# KiCad board All_Bloks_of_project.kicad_pcb
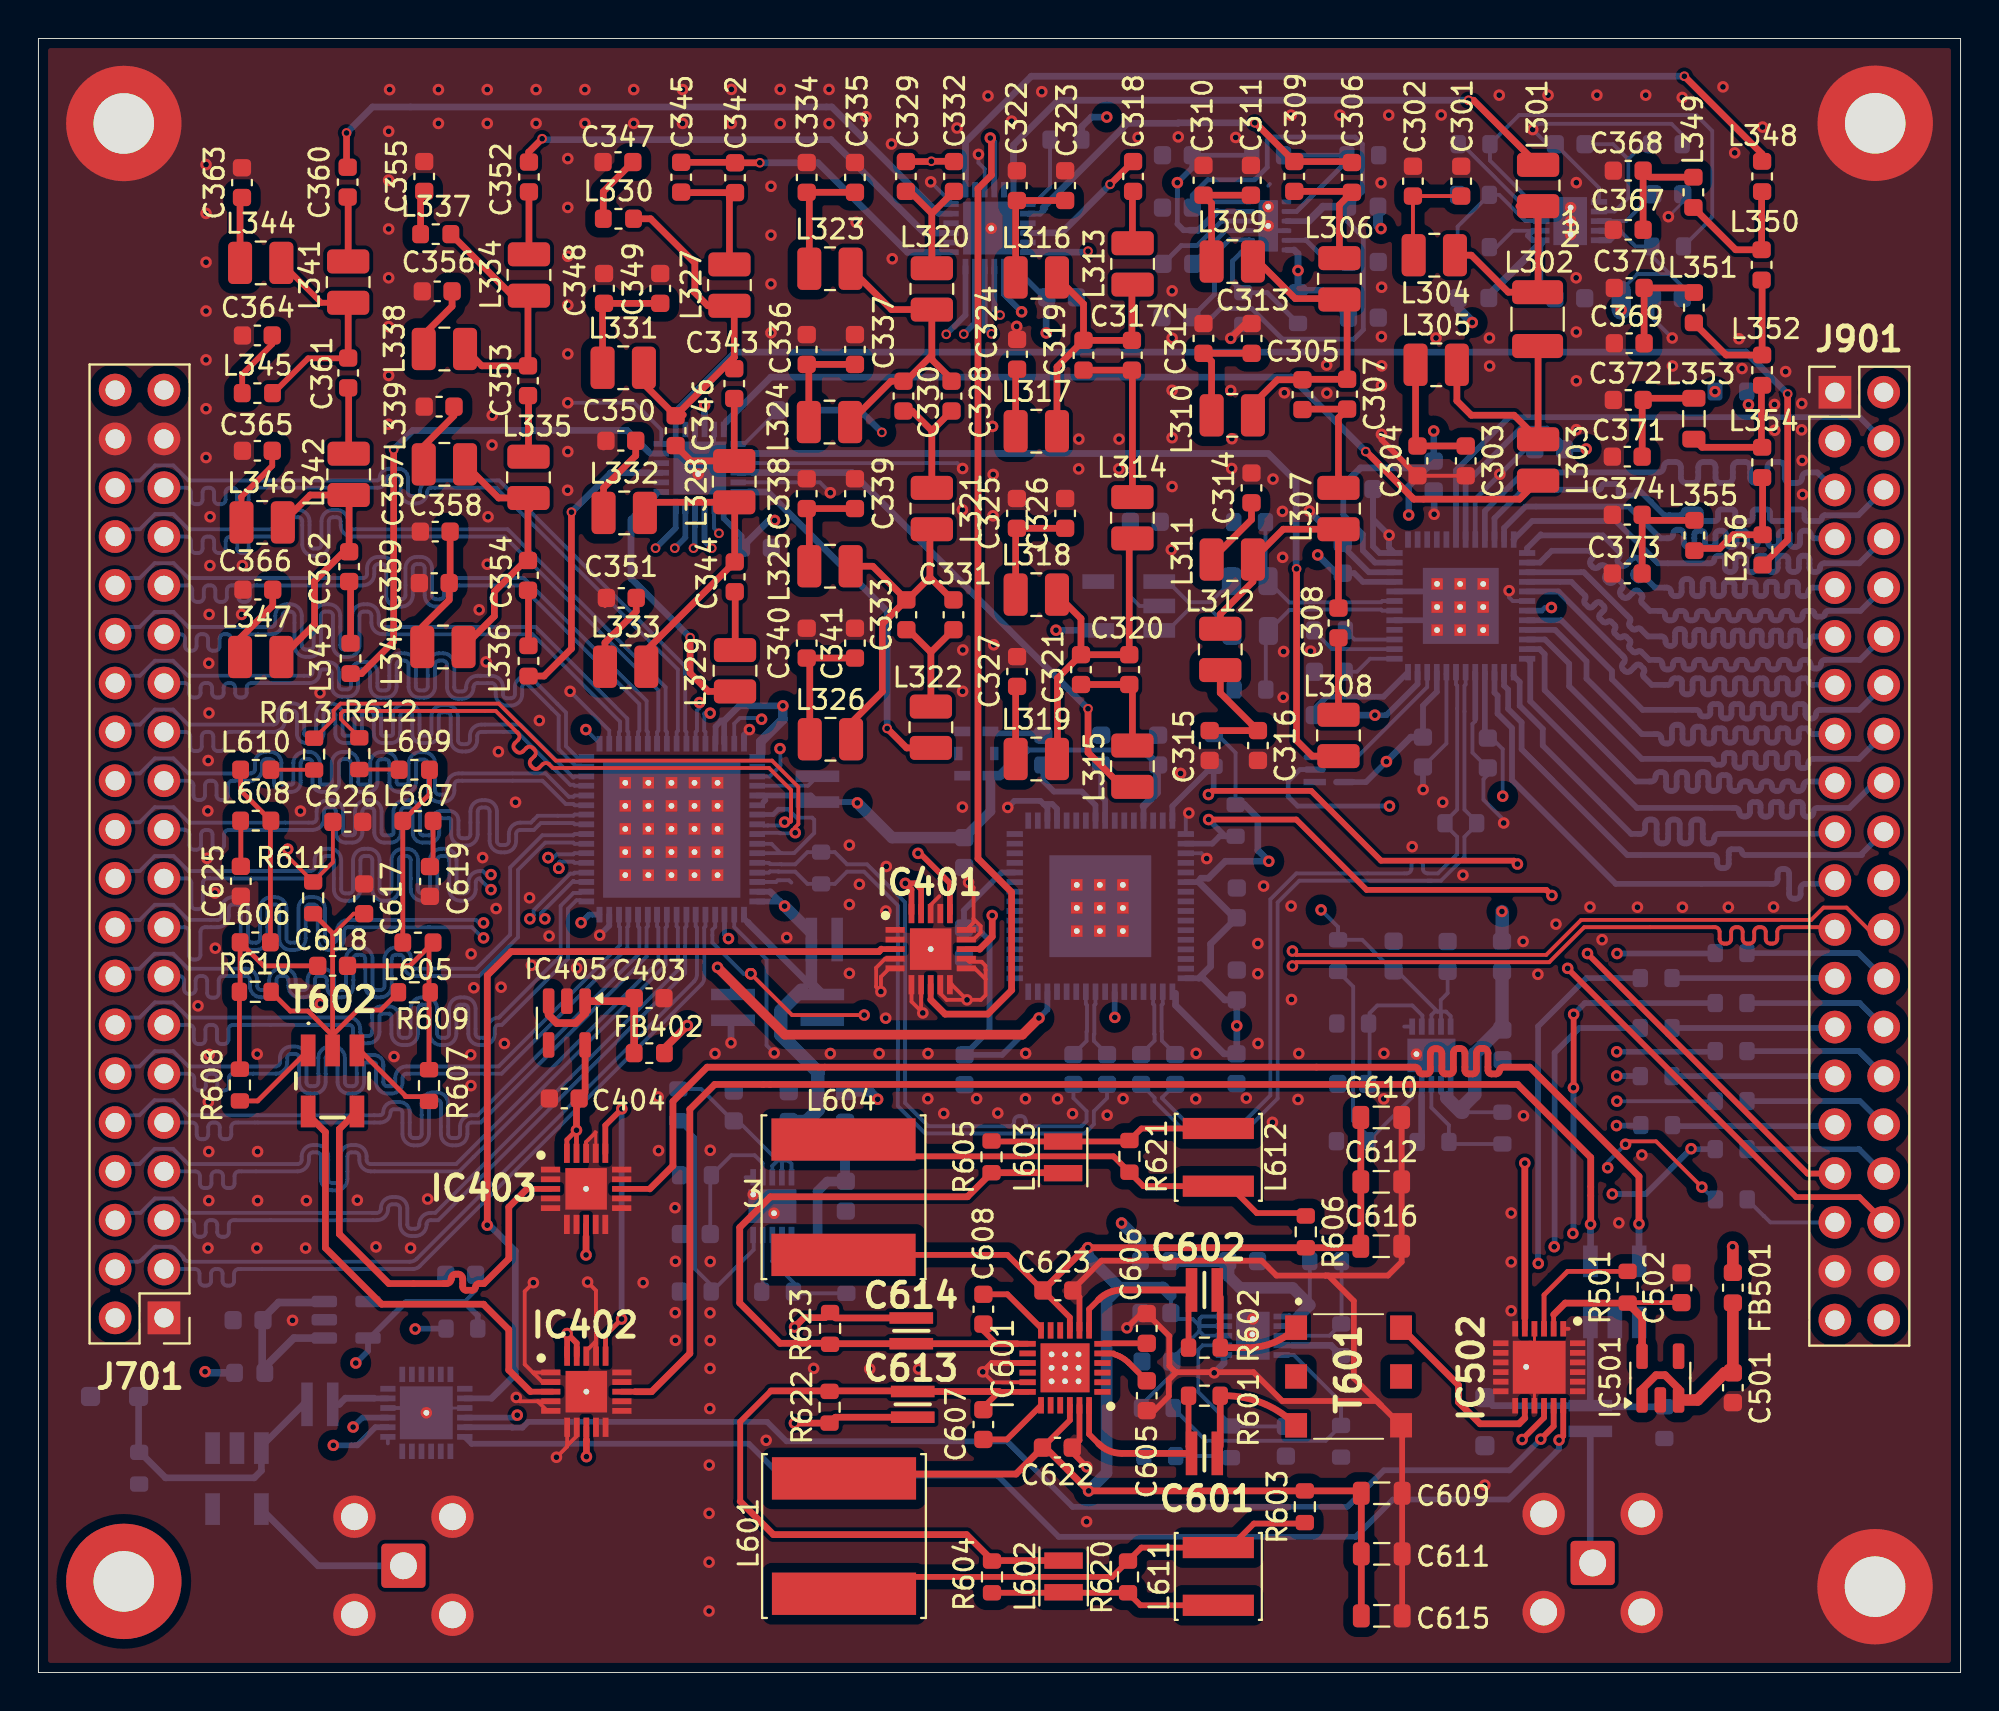
[diagram p0: board, top side]
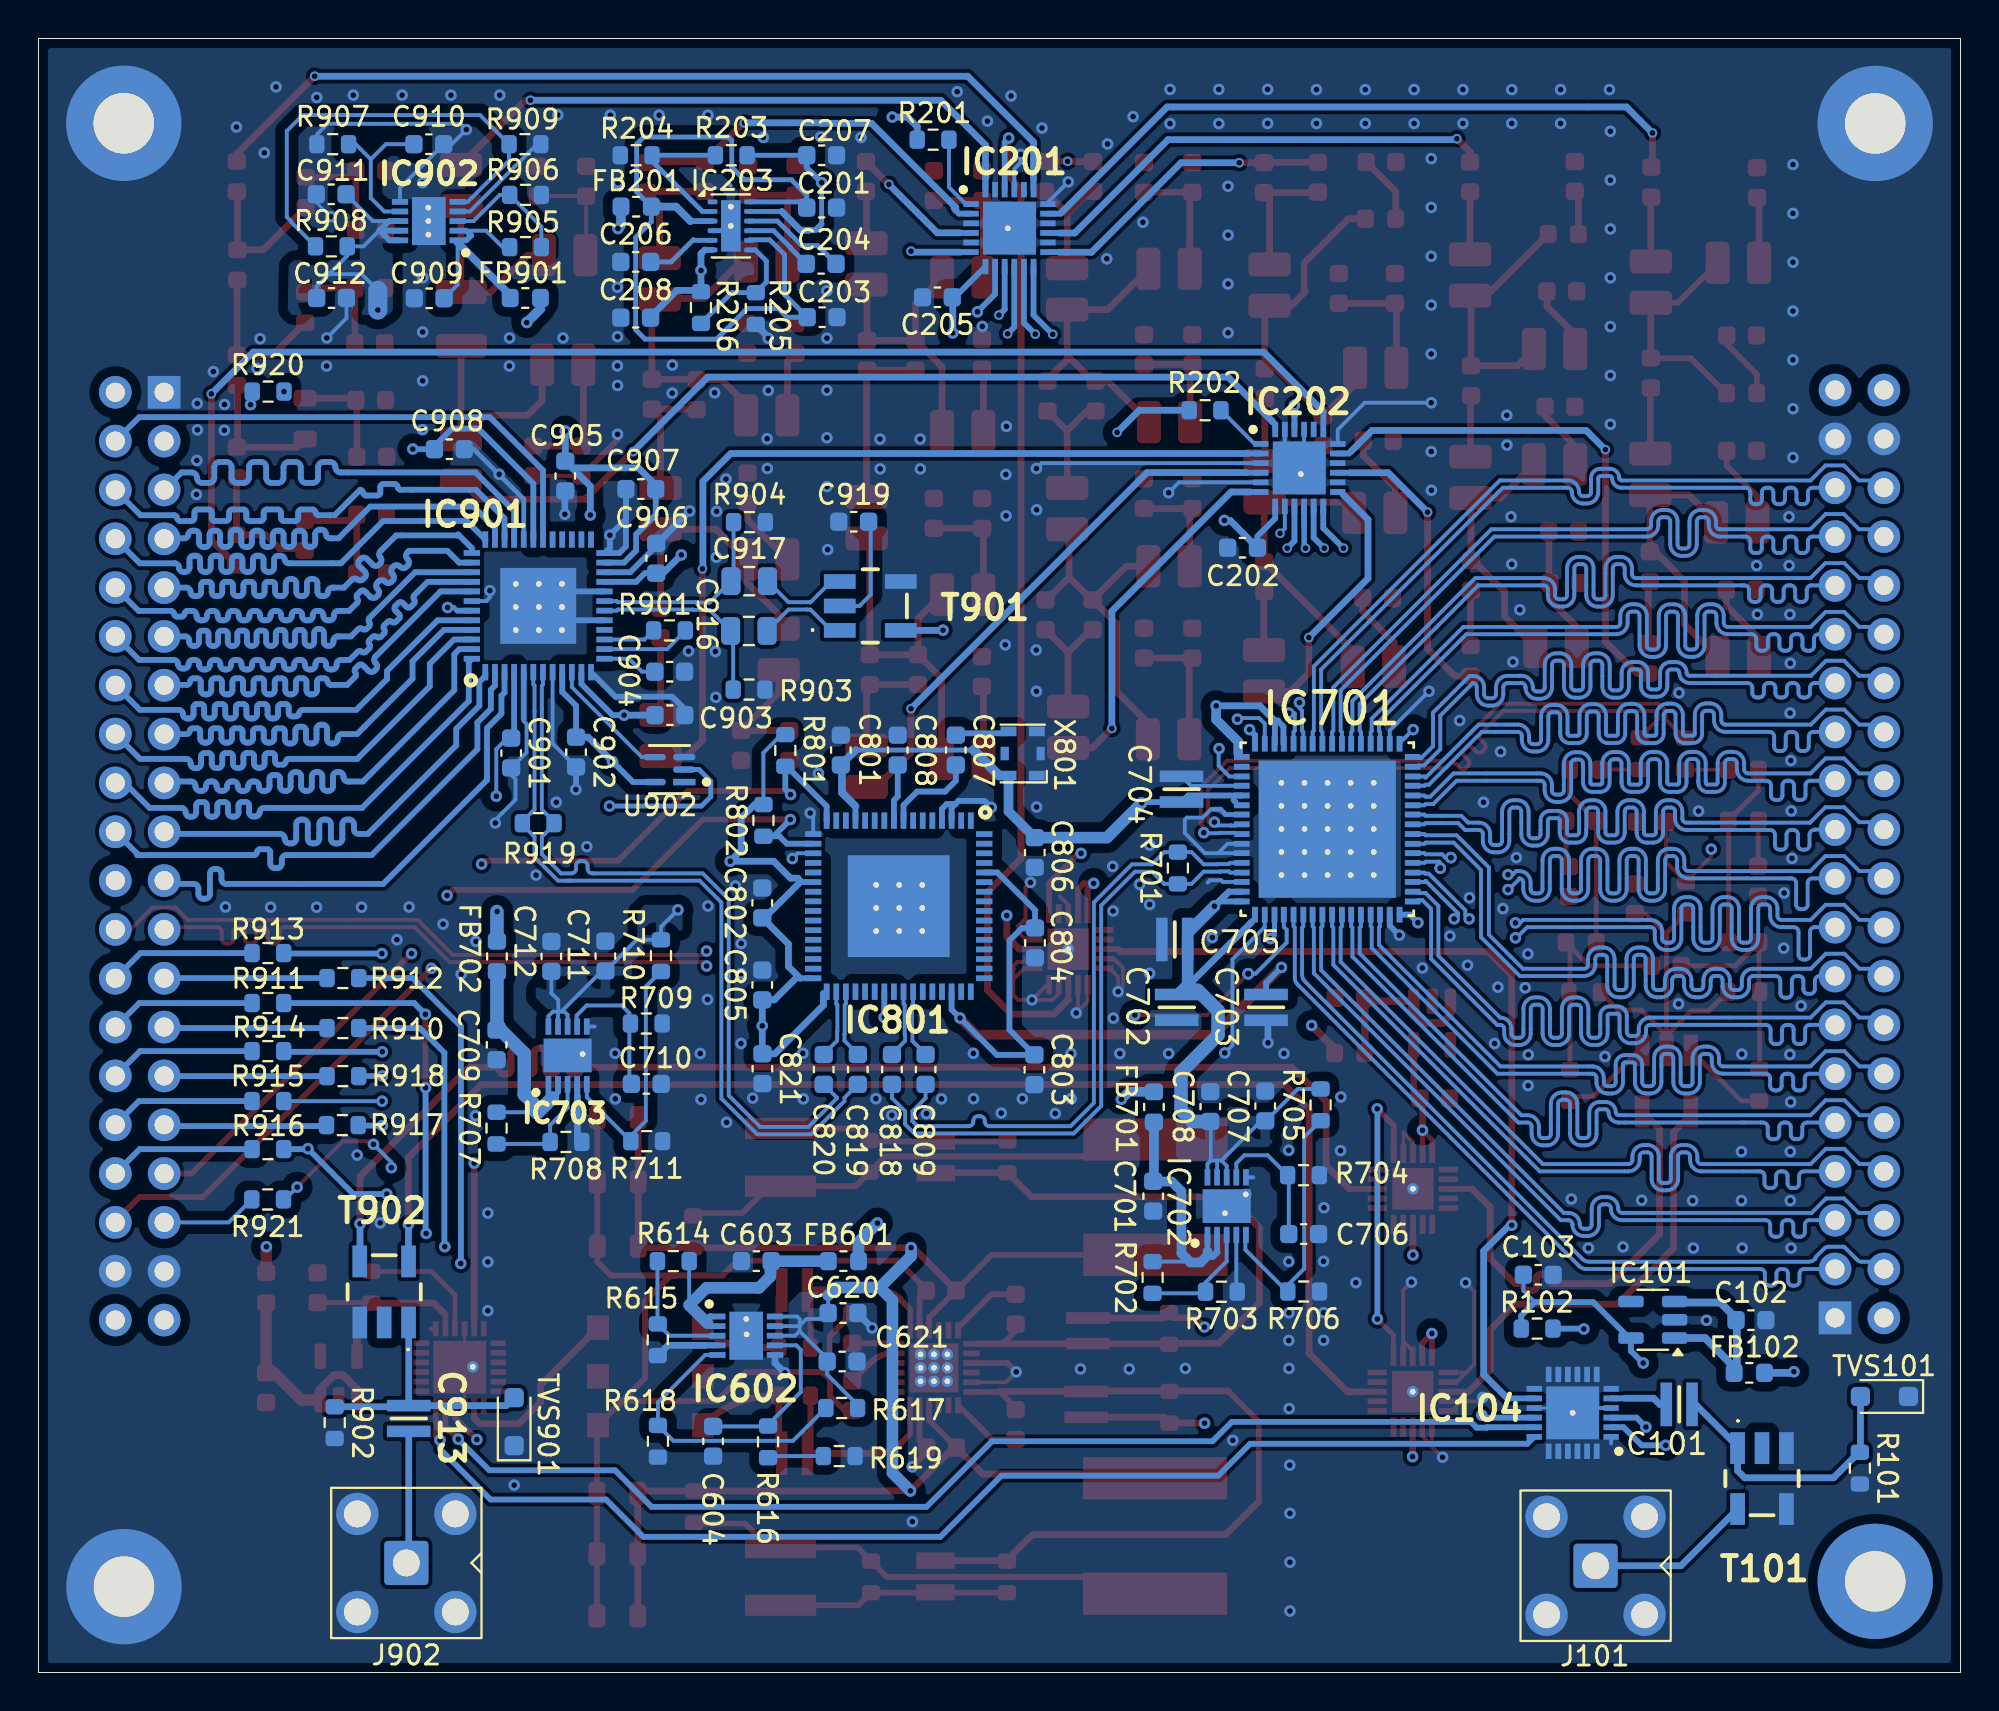
[diagram p1: board, bottom side, seen from below]

Outline 100 x 85 mm; copper layers: Top, In1.Cu (plane), In2.Cu, In3.Cu (plane), In4.Cu (plane), Bottom. Coordinates in mm from the lower left corner of the outline.
Outline path: rectangle 0,85 100,0
Stack: Top 0.035mm / dielectric 0.2104mm FR4 er 4.4 / In1.Cu 0.0152mm / dielectric 0.4mm FR4 er 4.6 / In2.Cu 0.0152mm / dielectric 0.2028mm FR4 er 4.6 / In3.Cu 0.0152mm / dielectric 0.4mm FR4 er 4.6 / In4.Cu 0.0152mm / dielectric 0.2104mm FR4 er 4.4 / Bottom 0.035mm

## Placement (name value [footprint] x y rotation side)
1  -  [unnamed#3]  79.72 75.5 0 top
2  -  [unnamed#3]  79.72 74.8 0 top
3  -  [unnamed#3]  37.19 24.87 0 top
C101  1uF  [0508]  14.64 13.95 0 bottom
C102  1µF  [C_0603_1608Metric]  10.91 18.33 180 bottom
C103  1µF  [C_0603_1608Metric]  21.97 20.69 180 bottom
C201  22uF  [C_0603_1608Metric]  59.25 76.2 0 bottom
C202  100nF  [C_0603_1608Metric]  37.36 58.51 0 bottom
C203  100nF  [C_0603_1608Metric]  59.23 70.5 0 bottom
C204  1uF  [C_0603_1608Metric]  59.28 73.28 180 bottom
C205  100nF  [C_0603_1608Metric]  53.23 71.53 0 bottom
C206  10uF  [C_0603_1608Metric]  68.93 73.38 180 bottom
C207  22uF  [C_0603_1608Metric]  59.25 78.92 0 bottom
C208  22uF  [C_0603_1608Metric]  68.93 70.48 180 bottom
C301  2.2nF  [C_0603_1608Metric]  74.02 77.58 90 top
C302  270pF  [C_0603_1608Metric]  71.51 77.58 90 top
C303  1.2nF  [C_0603_1608Metric]  74.26 63.03 270 top
C304  68pF  [C_0603_1608Metric]  71.75 63.03 270 top
C305  91pF  [C_0603_1608Metric]  65.76 66.47 270 top
C306  1.5nF  [C_0603_1608Metric]  68.34 77.77 270 top
C307  1nF  [C_0603_1608Metric]  68.09 66.5 270 top
C308  2.7nF  [C_0603_1608Metric]  67.64 54.6 270 top
C309  150pF  [C_0603_1608Metric]  65.34 77.82 270 top
C310  680pF  [C_0603_1608Metric]  60.61 77.62 90 top
C311  51pF  [C_0603_1608Metric]  63.08 77.62 90 top
C312  3.3nF  [C_0603_1608Metric]  60.61 69.4 90 top
C313  430pF  [C_0603_1608Metric]  63.12 69.4 90 top
C314  300pF  [C_0603_1608Metric]  63.11 61.62 90 top
C315  1nF  [C_0603_1608Metric]  60.94 48.22 270 top
C316  150pF  [C_0603_1608Metric]  63.45 48.22 270 top
C317  36pF  [C_0603_1608Metric]  56.89 68.52 270 top
C318  560pF  [C_0603_1608Metric]  56.95 77.82 270 top
C319  330pF  [C_0603_1608Metric]  54.37 68.52 270 top
C320  820pF  [C_0603_1608Metric]  56.75 52.17 270 top
C321  39pF  [C_0603_1608Metric]  54.24 52.17 270 top
C322  330pF  [C_0603_1608Metric]  50.91 77.34 90 top
C323  12pF  [C_0603_1608Metric]  53.42 77.34 90 top
C324  1.5nF  [C_0603_1608Metric]  50.92 68.57 90 top
C325  130pF  [C_0603_1608Metric]  50.91 60.29 90 top
C326  8,2pF  [C_0603_1608Metric]  53.42 60.29 90 top
C327  470pF  [C_0603_1608Metric]  50.92 52.07 90 top
C328  24pF  [C_0603_1608Metric]  47.5 66.4 270 top
C329  220pF  [C_0603_1608Metric]  45.13 77.82 270 top
C330  150pF  [C_0603_1608Metric]  45 66.4 270 top
C331  390pF  [C_0603_1608Metric]  47.6 55.02 270 top
C332  10pF  [C_0603_1608Metric]  47.63 77.82 270 top
C333  18pF  [C_0603_1608Metric]  45.15 55.02 270 top
C334  150pF  [C_0603_1608Metric]  39.97 77.77 90 top
C335  18pF  [C_0603_1608Metric]  42.48 77.77 90 top
C336  390pF  [C_0603_1608Metric]  39.97 68.82 90 top
C337  56pF  [C_0603_1608Metric]  42.48 68.82 90 top
C338  56pF  [C_0603_1608Metric]  39.97 61.32 90 top
C339  3.3pF  [C_0603_1608Metric]  42.48 61.32 90 top
C340  120pF  [C_0603_1608Metric]  39.97 53.55 90 top
C341  6,8pF  [C_0603_1608Metric]  42.48 53.55 90 top
C342  130pF  [C_0603_1608Metric]  36.24 77.76 270 top
C343  82pF  [C_0603_1608Metric]  36.2 67.05 270 top
C344  220pF  [C_0603_1608Metric]  36.22 57 270 top
C345  16pF  [C_0603_1608Metric]  33.44 77.78 270 top
C346  3.9pF  [C_0603_1608Metric]  33.15 64.6 270 top
C347  82pF  [C_0603_1608Metric]  30.15 78.57 180 top
C348  270pF  [C_0603_1608Metric]  29.42 72 90 top
C349  23pF  [C_0603_1608Metric]  32.35 72 90 top
C350  30pF  [C_0603_1608Metric]  30.3 64.07 180 top
C351  82pF  [C_0603_1608Metric]  30.32 55.9 180 top
C352  51pF  [C_0603_1608Metric]  25.52 77.8 270 top
C353  33pF  [C_0603_1608Metric]  25.47 67.2 270 top
C354  100pF  [C_0603_1608Metric]  25.47 57.07 270 top
C355  39pF  [C_0603_1608Metric]  20.07 77.82 90 top
C356  110pF  [C_0603_1608Metric]  20.74 71.85 180 top
C357  12pF  [C_0603_1608Metric]  20.84 65.85 180 top
C358  27pF  [C_0603_1608Metric]  20.64 59.35 180 top
C359  1pF  [C_0603_1608Metric]  20.59 56.67 180 top
C360  24pF  [C_0603_1608Metric]  16.09 77.53 270 top
C361  15pF  [C_0603_1608Metric]  16.11 67.6 270 top
C362  47pF  [C_0603_1608Metric]  16.16 57.53 270 top
C363  24pF  [C_0603_1608Metric]  10.59 77.5 90 top
C364  51pF  [C_0603_1608Metric]  11.39 69.55 180 top
C365  7.5pF  [C_0603_1608Metric]  11.39 63.55 180 top
C366  13pF  [C_0603_1608Metric]  11.41 56.33 180 top
C367  51pF  [C_0603_1608Metric]  82.71 75.05 180 top
C368  3.3pF  [C_0603_1608Metric]  82.71 78.12 180 top
C369  24pF  [C_0603_1608Metric]  82.76 69.15 180 top
C370  2pF  [C_0603_1608Metric]  82.76 72.02 180 top
C371  18pF  [C_0603_1608Metric]  82.66 63.25 180 top
C372  0,75pF  [C_0603_1608Metric]  82.71 66.2 180 top
C373  30pF  [C_0603_1608Metric]  82.66 57.17 180 top
C374  2pF  [C_0603_1608Metric]  82.66 60.22 180 top
C403  1µF  [C_0603_1608Metric]  31.77 35.08 0 top
C404  1µF  [C_0603_1608Metric]  27.36 29.86 180 top
C501  1µF  [C_0603_1608Metric]  88.16 14.82 270 top
C502  1µF  [C_0603_1608Metric]  85.48 20.02 90 top
C601  1uF  [0508]  60.66 11.4 180 top
C602  1uF  [0508]  60.66 19.9 180 top
C603  10µF  [C_0603_1608Metric]  62.65 21.4 0 bottom
C604  4.7µF  [C_0603_1608Metric]  64.9 12.03 270 bottom
C605  1uF  [C_0603_1608Metric]  57.66 14.4 90 top
C606  1uF  [C_0603_1608Metric]  57.66 17.9 270 top
C607  1µF  [C_0603_1608Metric]  49.16 12.9 90 top
C608  1µF  [C_0603_1608Metric]  49.16 18.9 270 top
C609  100nF  [L_0805_2012Metric]  69.89 9.32 0 top
C610  100nF  [L_0805_2012Metric]  69.86 28.87 0 top
C611  1µF  [L_0805_2012Metric]  69.89 6.17 0 top
C612  1µF  [L_0805_2012Metric]  69.86 25.52 0 top
C613  1uF  [0508]  45.49 13.95 270 top
C614  1uF  [0508]  45.41 17.77 90 top
C615  10nF  [L_0805_2012Metric]  69.89 2.95 0 top
C616  10nF  [L_0805_2012Metric]  69.86 22.17 0 top
C617  100nF  [C_0603_1608Metric]  16.94 40.25 270 top
C618  8.2pF  [C_0603_1608Metric]  15.31 36.76 180 top
C619  20pF  [C_0603_1608Metric]  20.37 41.15 90 top
C620  10µF  [C_0603_1608Metric]  58.14 18.7 180 bottom
C621  1µF  [C_0603_1608Metric]  58.19 16.18 180 bottom
C622  1000pF  [C_0603_1608Metric]  53.01 11.7 180 top
C623  1000pF  [C_0603_1608Metric]  53.04 19.87 180 top
C625  20pF  [C_0603_1608Metric]  10.53 41.16 90 top
C626  2.2µF  [C_0603_1608Metric]  16.09 44.25 180 top
C701  10µF  [C_0603_1608Metric]  42.01 24.78 270 bottom
C702  1uF  [0508]  40.78 34.6 90 bottom
C703  1uF  [0508]  36.13 34.6 90 bottom
C704  1uF  [0508]  40.53 45.95 270 bottom
C705  1uF  [0508]  40.88 38.13 180 bottom
C706  4.7µF  [C_0603_1608Metric]  34.17 22.81 180 bottom
C707  10µF  [C_0603_1608Metric]  36.17 29.47 90 bottom
C708  1µF  [C_0603_1608Metric]  39.04 29.44 90 bottom
C709  10µF  [C_0603_1608Metric]  76.17 32.65 270 bottom
C710  4.7µF  [C_0603_1608Metric]  68.38 30.62 180 bottom
C711  10µF  [C_0603_1608Metric]  70.51 37.27 90 bottom
C712  1µF  [C_0603_1608Metric]  73.32 37.25 90 bottom
C801  1µF  [C_0603_1608Metric]  58.25 47.99 90 bottom
C802  100nF  [C_0603_1608Metric]  62.34 40.04 90 bottom
C803  100nF  [C_0603_1608Metric]  48.18 31.36 90 bottom
C804  100nF  [C_0603_1608Metric]  48.15 37.96 90 bottom
C805  100nF  [C_0603_1608Metric]  62.34 35.77 90 bottom
C806  100nF  [C_0603_1608Metric]  48.16 42.66 90 bottom
C807  100nF  [C_0603_1608Metric]  52.27 47.99 270 bottom
C808  100nF  [C_0603_1608Metric]  55.29 47.99 270 bottom
C809  100nF  [C_0603_1608Metric]  53.85 31.37 270 bottom
C818  100nF  [C_0603_1608Metric]  55.6 31.37 270 bottom
C819  100nF  [C_0603_1608Metric]  57.37 31.37 270 bottom
C820  100nF  [C_0603_1608Metric]  59.14 31.37 270 bottom
C821  100nF  [C_0603_1608Metric]  62.33 31.41 270 bottom
C901  100nF  [C_0603_1608Metric]  75.41 47.83 270 bottom
C902  100nF  [C_0603_1608Metric]  72.03 47.88 270 bottom
C903  100nF  [C_0603_1608Metric]  67.15 49.8 180 bottom
C904  1µF  [C_0603_1608Metric]  67.16 52.06 180 bottom
C905  100nF  [C_0603_1608Metric]  72.59 62.24 90 bottom
C906  100nF  [C_0603_1608Metric]  67.86 57.96 90 bottom
C907  100nF  [C_0603_1608Metric]  68.66 61.56 0 bottom
C908  100nF  [C_0603_1608Metric]  78.62 63.63 0 bottom
C909  10µF  [C_0603_1608Metric]  79.67 71.48 0 bottom
C910  4.7µF  [C_0603_1608Metric]  79.69 79.5 180 bottom
C911  10µF  [C_0603_1608Metric]  84.77 76.89 0 bottom
C912  1µF  [C_0603_1608Metric]  84.75 71.5 180 bottom
C913  1uF  [0508]  80.74 13.22 270 bottom
C916  1µF  [C_0805_2012Metric]  63.04 54.18 180 bottom
C917  1µF  [C_0805_2012Metric]  63.02 56.77 180 bottom
C919  100nF  [C_0603_1608Metric]  57.58 59.86 0 bottom
FB102  1000Ω@100MHz  [L_0603_1608Metric]  10.99 15.59 0 bottom
FB201  1000Ω@100MHz  [L_0603_1608Metric]  68.9 76.25 180 bottom
FB402  1000Ω@100MHz  [L_0603_1608Metric]  31.78 32.22 180 top
FB501  1000Ω@100MHz  [L_0603_1608Metric]  88.16 20.02 270 top
FB601  1000Ω@100MHz  [L_0603_1608Metric]  58.12 21.4 0 bottom
FB701  1000Ω@100MHz  [L_0603_1608Metric]  41.97 29.42 270 bottom
FB702  1000Ω@100MHz  [L_0603_1608Metric]  76.14 37.25 270 bottom
FB901  1000Ω@100MHz  [L_0603_1608Metric]  74.67 71.5 0 bottom
IC101  LP5907MFX-3.3  [SOT-23-5]  16.01 18.35 0 bottom
IC104  PE43711A-Z  [QFN50P400X400X90-25N-D]  20.18 13.51 0 bottom
IC201  PE42582A-X  [QFN50P400X400X90-25N-D]  49.48 75.13 180 bottom
IC202  PE42582A-X  [QFN50P400X400X90-25N-D]  34.41 62.66 180 bottom
IC203  LM27762  [WSON-12-1EP_3x2mm_P0.5mm_EP1x2.65_ThermalVias]  63.98 75.25 180 bottom
IC401  F2912NCGI8  [QFN50P400X400X80-21N-D]  46.42 37.63 0 top
IC402  F2912NCGI8  [QFN50P400X400X80-21N-D]  28.51 14.61 0 top
IC403  F2912NCGI8  [QFN50P400X400X80-21N-D]  28.49 25.16 0 top
IC405  LP5907MFX-3.3  [SOT-23-5]  27.49 33.78 270 top
IC501  LP5907MFX-3.3  [SOT-23-5]  84.38 15.32 90 top
IC502  PE43711A-Z  [QFN50P400X400X90-25N-D]  78.08 15.88 270 top
IC601  LTC6432AIUF-15#PBF  [QFN50P400X400X80-25N-D]  53.41 15.85 180 top
IC602  TPS7A9401DSCR  [SON50P300X300X80-11N-D]  63.18 17.52 180 bottom
IC701  LTC2209IUPPBF  [QFN50P900X900X80-65N]  32.95 43.87 180 bottom
IC702  TPS7A9401DSCR  [SON50P300X300X80-11N-D]  38.18 24.26 90 bottom
IC703  TPS7A9401DSCR  [SON50P300X300X80-11N-D]  72.47 32.1 90 bottom
IC801  SI5391B-A-GM  [QFN50P900X900X90-65N-D]  55.24 39.87 270 bottom
IC901  MAX5885EGM+D  [QFN50P700X700X100-49N]  74 55.49 90 bottom
IC902  TPS7A9401DSCR  [SON50P300X300X80-11N-D]  79.69 75.5 0 bottom
J101  SMA RX  [SMA_BAT_Wireless_BWSMA-KWE-Z001]  18.99 5.55 0 bottom
J701  Adafruit Pin Header 2x20 Female 2.54mm  [PinHeader_2x20_P2.54mm_Vertical]  6.53 18.45 180 top
J901  Adafruit Pin Header 2x20 Female 2.54mm  [PinHeader_2x20_P2.54mm_Vertical]  93.46 66.6 0 top
J902  SMA TX  [SMA_BAT_Wireless_BWSMA-KWE-Z001]  80.86 5.7 0 bottom
L301  4.7u  [L_1008_2520Metric]  78.02 77.35 270 top
L302  6.8u  [L_1210_3225Metric]  78 70.4 270 top
L303  3.3u  [L_1008_2520Metric]  78.02 63.08 270 top
L304  1.2u  [L_1008_2520Metric]  72.62 73.73 0 top
L305  4.7u  [L_1008_2520Metric]  72.72 68.03 0 top
L306  2.7u  [L_1008_2520Metric]  67.69 72.5 270 top
L307  3.9u  [L_1008_2520Metric]  67.64 60.55 270 top
L308  1.5u  [L_1008_2520Metric]  67.64 48.75 270 top
L309  1u  [L_1008_2520Metric]  62.11 73.4 0 top
L310  6.2u  [L_1008_2520Metric]  62.11 65.4 0 top
L311  3.9u  [L_1008_2520Metric]  62.11 57.9 0 top
L312  15u  [L_1008_2520Metric]  61.49 53.22 90 top
L313  1.5u  [L_1008_2520Metric]  56.92 73.27 270 top
L314  2.2u  [L_1008_2520Metric]  56.92 60.07 270 top
L315  1u  [L_1008_2520Metric]  56.92 47.14 270 top
L316  620n  [L_1008_2520Metric]  51.92 72.57 0 top
L317  2.2u  [L_1008_2520Metric]  51.92 64.57 0 top
L318  2.2u  [L_1008_2520Metric]  51.92 56.07 0 top
L319  4.7  [L_1008_2520Metric]  51.92 47.52 0 top
L320  910n  [L_1008_2520Metric]  46.48 71.97 270 top
L321  1.2u  [L_1008_2520Metric]  46.48 60.55 270 top
L322  560n  [L_1008_2520Metric]  46.43 49.17 270 top
L323  390n  [L_1008_2520Metric]  41.18 73.02 0 top
L324  1.5u  [L_1008_2520Metric]  41.15 65.05 0 top
L325  1.5u  [L_1008_2520Metric]  41.18 57.55 0 top
L326  3.9u  [L_1008_2520Metric]  41.2 48.55 0 top
L327  390n  [L_1008_2520Metric]  35.95 72.17 270 top
L328  680n  [L_1008_2520Metric]  36.2 61.95 270 top
L329  270nF  [L_1008_2520Metric]  36.24 52.11 270 top
L330  200n  [L_0603_1608Metric]  30.17 75.62 0 top
L331  680n  [L_1008_2520Metric]  30.42 67.87 0 top
L332  750n  [L_1008_2520Metric]  30.47 60.32 0 top
L333  1.8u  [L_1008_2520Metric]  30.55 52.32 0 top
L334  330n  [L_1008_2520Metric]  25.52 72.7 270 top
L335  470n  [L_1008_2520Metric]  25.49 62.17 270 top
L336  180n  [L_0603_1608Metric]  25.49 52.62 270 top
L337  180n  [L_0603_1608Metric]  20.67 74.82 0 top
L338  390n  [L_1008_2520Metric]  21.12 68.85 0 top
L339  680n  [L_1008_2520Metric]  21.12 62.85 0 top
L340  1.2u  [L_1008_2520Metric]  21.04 53.35 0 top
L341  270n  [L_1008_2520Metric]  16.11 72.33 270 top
L342  470n  [L_1008_2520Metric]  16.14 62.33 270 top
L343  160n  [L_0603_1608Metric]  16.24 52.75 270 top
L344  150n  [L_1008_2520Metric]  11.56 73.33 0 top
L345  300n  [L_0603_1608Metric]  11.39 66.55 0 top
L346  560n  [L_1008_2520Metric]  11.64 59.83 0 top
L347  1u  [L_1008_2520Metric]  11.56 52.83 0 top
L348  110nH  [L_0603_1608Metric]  89.68 77.82 270 top
L349  24nH  [L_0603_1608Metric]  86.1 77 90 top
L350  130nH  [L_0603_1608Metric]  89.65 73.22 270 top
L351  160nH  [L_0603_1608Metric]  86.13 71 90 top
L352  75nH  [L_0603_1608Metric]  89.68 67.75 270 top
L353  240nH  [L_0805_2012Metric]  86.13 65.22 90 top
L354  100nH  [L_0603_1608Metric]  89.68 62.95 270 top
L355  100nH  [L_0603_1608Metric]  86.15 59.15 90 top
L356  68nH  [L_0603_1608Metric]  89.7 58.4 270 top
L601  470µH  [L_Changjiang_FNR8065S]  41.91 7.1 270 top
L602  560nH  [L_Sunlord_SWPA252010S]  53.34 5 90 top
L603  560nH  [L_Sunlord_SWPA252010S]  53.31 26.8 90 top
L604  470µH  [L_Changjiang_FNR8065S]  41.89 24.72 270 top
L605  100nH  [L_0603_1608Metric]  19.74 37.97 180 top
L606  100nH  [L_0603_1608Metric]  11.28 37.98 0 top
L607  27nH  [L_0603_1608Metric]  19.74 44.3 0 top
L608  27nH  [L_0603_1608Metric]  11.31 44.31 0 top
L609  100nH  [L_0603_1608Metric]  19.56 46.96 180 top
L610  100nH  [L_0603_1608Metric]  11.31 46.96 0 top
L611  47µH  [L_Sunlord_SWPA4030S]  61.39 5 270 top
L612  47µH  [L_Sunlord_SWPA4030S]  61.39 26.8 270 top
NOREF  -  [unnamed]  34.13 41.48 0 top
NOREF#2  -  [unnamed]  34.13 45.08 0 top
NOREF#3  -  [unnamed]  30.53 42.68 0 top
NOREF#4  -  [unnamed#2]  34.32 62.34 0 top
NOREF#5  -  [unnamed]  34.13 43.88 0 top
NOREF#6  -  [unnamed#3]  38.27 23.89 0 top
NOREF#7  -  [unnamed]  31.73 46.28 0 top
NOREF#8  -  [unnamed#2]  53.41 15.85 180 top
NOREF#9  -  [unnamed]  54.02 40.97 0 top
NOREF#10  -  [unnamed]  32.93 43.88 0 top
NOREF#11  -  [unnamed]  55.22 39.77 0 top
NOREF#12  -  [unnamed#2]  52.71 15.15 180 top
NOREF#13  -  [unnamed#2]  20.18 13.51 0 top
NOREF#14  -  [unnamed#4]  73.96 54.22 0 top
NOREF#15  -  [unnamed]  35.33 42.68 0 top
NOREF#16  -  [unnamed#2]  54.11 16.55 180 top
NOREF#17  -  [unnamed]  55.22 40.97 0 top
NOREF#18  -  [unnamed]  56.42 39.77 0 top
NOREF#19  -  [unnamed#2]  77.4 15.9 0 top
NOREF#20  -  [unnamed#5]  28.51 14.61 0 top
NOREF#21  -  [unnamed]  30.53 45.08 0 top
NOREF#22  -  [unnamed#4]  75.16 54.22 0 top
NOREF#23  -  [unnamed#2]  53.41 16.55 180 top
NOREF#24  -  [unnamed]  55.22 38.57 0 top
NOREF#25  -  [unnamed]  56.42 38.57 0 top
NOREF#26  -  [unnamed]  30.53 41.48 0 top
NOREF#27  -  [unnamed#2]  54.11 15.15 180 top
NOREF#28  -  [unnamed#2]  52.71 16.55 180 top
NOREF#29  -  [unnamed]  31.73 42.68 0 top
NOREF#30  -  [unnamed#2]  53.41 15.15 180 top
NOREF#31  -  [unnamed#4]  72.76 54.22 0 top
NOREF#32  -  [unnamed#3]  63.16 17.59 0 top
NOREF#33  -  [unnamed#3]  63.18 18.39 0 top
NOREF#34  -  [unnamed#6]  99.18 75.39 0 top
NOREF#35  -  [unnamed]  35.33 43.88 0 top
NOREF#36  -  [unnamed]  35.33 41.48 0 top
NOREF#37  -  [unnamed]  32.93 41.48 0 top
NOREF#38  -  [unnamed]  35.33 46.28 0 top
NOREF#39  -  [unnamed]  34.13 46.28 0 top
NOREF#40  -  [unnamed#3]  71.69 32.17 0 top
NOREF#41  -  [unnamed]  32.93 42.68 0 top
NOREF#42  -  [unnamed]  31.73 41.48 0 top
NOREF#43  -  [unnamed#4]  73.96 56.62 0 top
NOREF#44  -  [unnamed]  34.13 42.68 0 top
NOREF#45  -  [unnamed#4]  73.96 55.42 0 top
NOREF#46  -  [unnamed]  54.02 38.57 0 top
NOREF#47  -  [unnamed#7]  89.98 6.06 0 top
NOREF#48  -  [unnamed#5]  46.42 37.63 0 top
NOREF#49  -  [unnamed#4]  72.76 55.42 0 top
NOREF#50  -  [unnamed#2]  52.71 15.85 180 top
NOREF#51  -  [unnamed]  32.93 45.08 0 top
NOREF#52  -  [unnamed]  31.73 43.88 0 top
NOREF#53  -  [unnamed#8]  -1.89 -4.76 0 top
NOREF#54  -  [unnamed]  35.33 45.08 0 top
NOREF#55  -  [unnamed#3]  79.72 76.2 0 top
NOREF#56  -  [unnamed]  30.53 46.28 0 top
NOREF#57  -  [unnamed#4]  75.16 56.62 0 top
NOREF#58  -  [unnamed#2]  49.57 75.12 0 top
NOREF#59  -  [unnamed#5]  28.49 25.16 0 top
NOREF#60  -  [unnamed#2]  54.11 15.85 180 top
NOREF#61  -  [unnamed#9]  1.34 74.83 0 top
NOREF#62  -  [unnamed]  30.53 43.88 0 top
NOREF#63  -  [unnamed]  32.93 46.28 0 top
NOREF#64  -  [unnamed]  54.02 39.77 0 top
NOREF#65  -  [unnamed]  31.73 45.08 0 top
NOREF#66  -  [unnamed#4]  75.16 55.42 0 top
NOREF#67  -  [unnamed]  56.42 40.97 0 top
NOREF#68  -  [unnamed#4]  72.76 56.62 0 top
R101  1MΩ  [R_0603_1608Metric]  5.24 10.63 270 bottom
R102  10kΩ  [R_0603_1608Metric]  22.03 17.89 180 bottom
R201  10kΩ  [R_0603_1608Metric]  53.45 79.73 0 bottom
R202  10kΩ  [R_0603_1608Metric]  39.3 65.66 0 bottom
R203  160kΩ  [R_0603_1608Metric]  63.95 78.92 180 bottom
R204  91kΩ  [R_0603_1608Metric]  68.9 78.92 0 bottom
R205  91kΩ  [R_0603_1608Metric]  62.68 70.95 270 bottom
R206  130kΩ  [R_0603_1608Metric]  65.53 71 90 bottom
R501  10kΩ  [R_0603_1608Metric]  82.68 20.04 90 top
R601  360Ω  [R_0603_1608Metric]  60.66 14.4 180 top
R602  360Ω  [R_0603_1608Metric]  60.66 16.9 180 top
R603  390Ω  [R_0603_1608Metric]  65.89 8.62 90 top
R604  54Ω  [R_0603_1608Metric]  49.61 4.97 270 top